# Altium PCB ADCS_PCB.PcbDoc (part 2 of 2)
Units mm, origin at the board's own origin, x right, y up, seen from the top; angles counter-clockwise.
Board outline 95.7 x 90 mm, 4 copper layers (Top Layer, Int1 (GND), Int2 (PWR), Bottom Layer), stack 1.57 mm thick; 108 components, 88 nets, 517 pads, 1075 vias.
Unrouted connection lines stored in the file: 4.
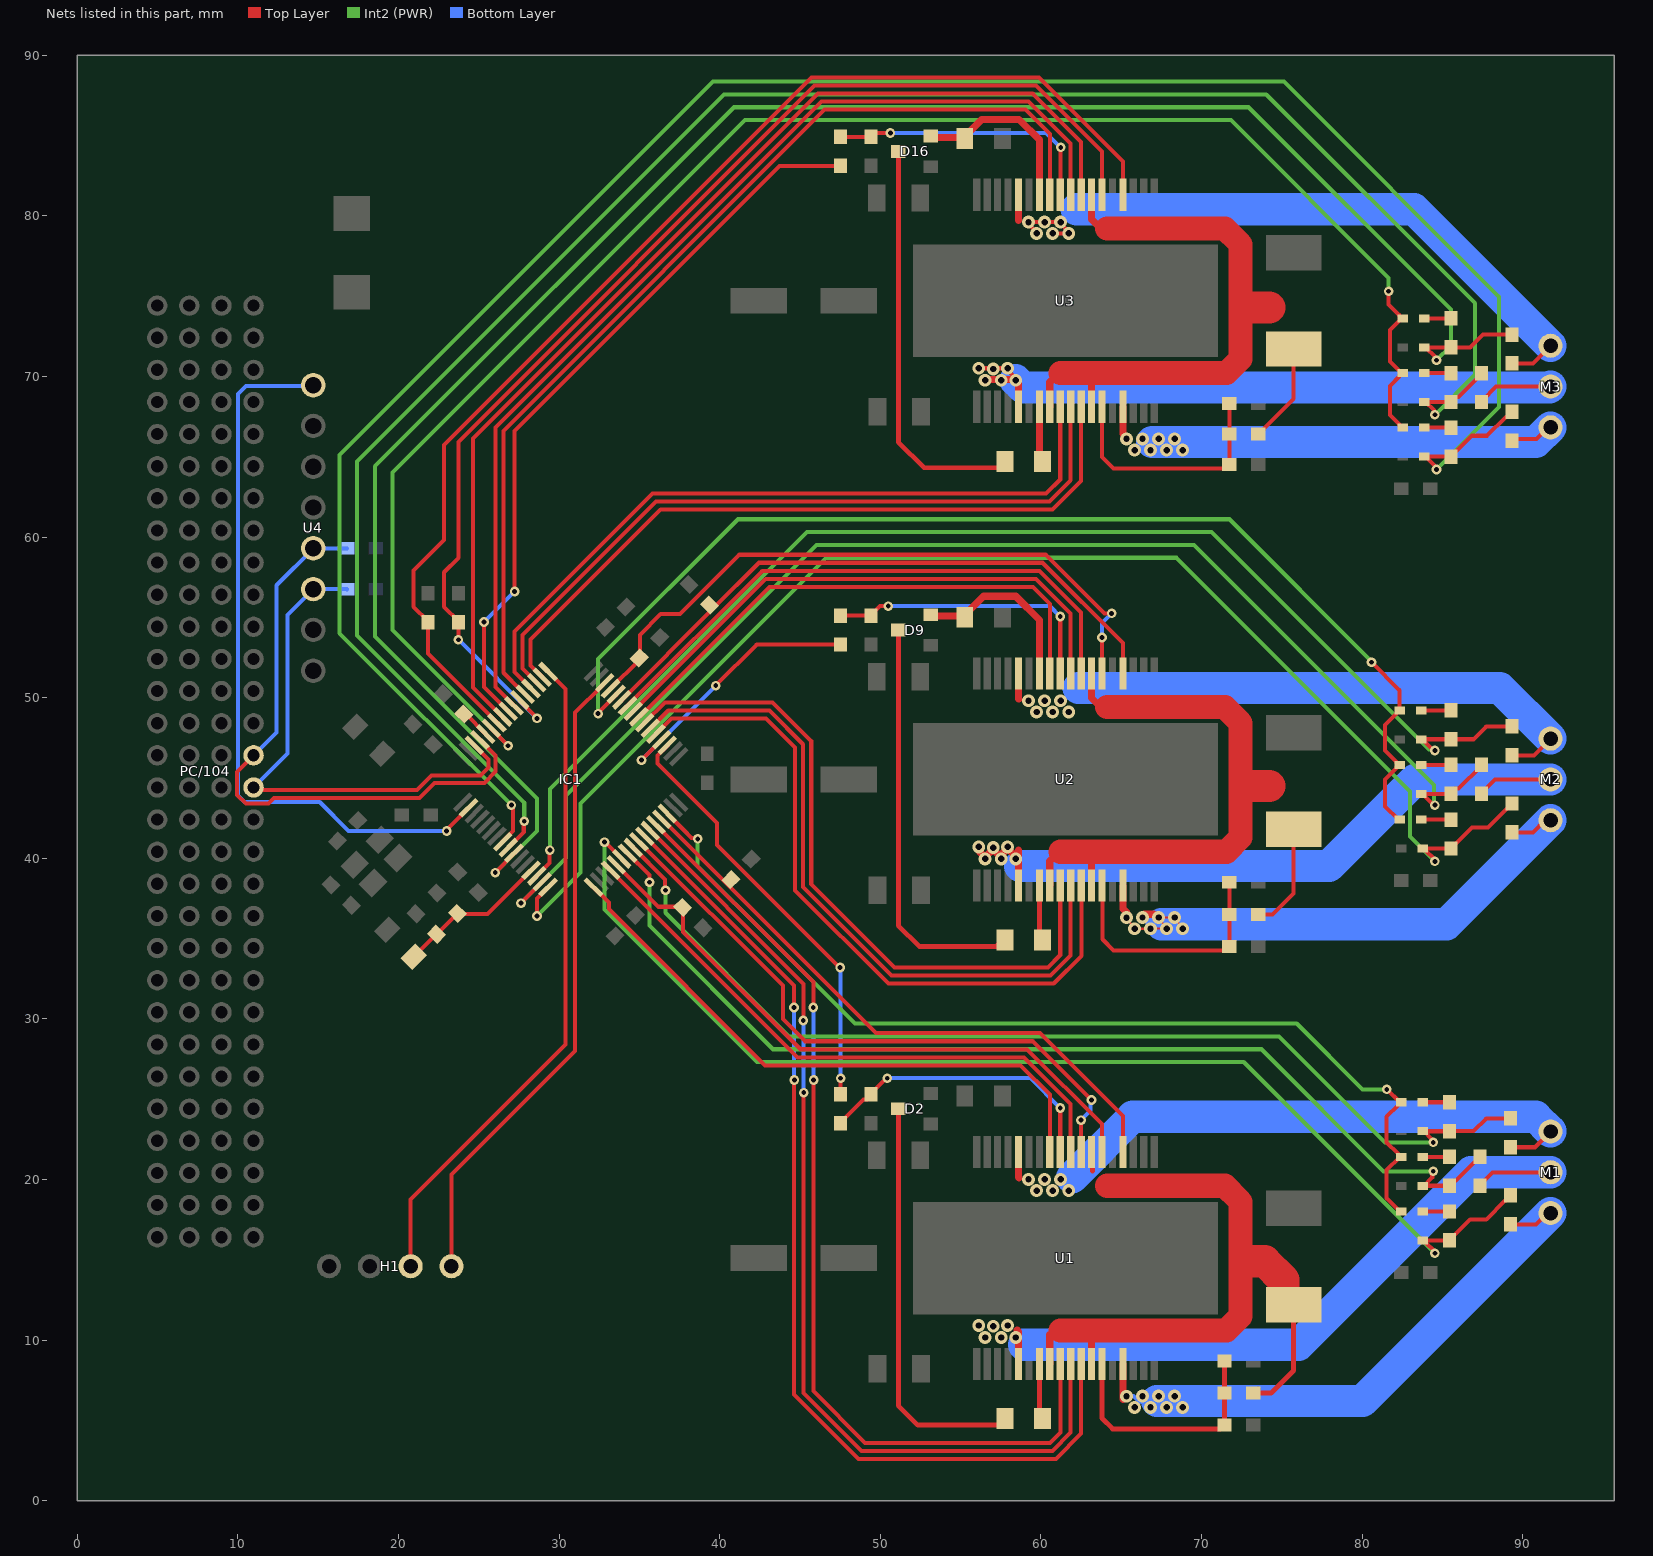
[diagram p4: the nets of this part, all layers, seen from the top]

## Via types
v1: diameter 0.7, hole 0.4, Top Layer to Bottom Layer, tented both sides, 411 vias
v2: diameter 0.6, hole 0.3, Top Layer to Bottom Layer, tented both sides, 320 vias
v3: diameter 0.8, hole 0.4, Top Layer to Bottom Layer, tented both sides, 253 vias
v4: diameter 0.6, hole 0.4, Top Layer to Bottom Layer, tented both sides, 74 vias
v5: diameter 1, hole 0.5, Top Layer to Bottom Layer, tented both sides, 16 vias
v6: diameter 1, hole 0.6, Top Layer to Bottom Layer, tented both sides, 1 vias

## Nets (pads, with @x,y where several pads share a name; then routed paths per layer and width w, separated by ;. In a path a pad name is that pad's centre, name@x,y a point inside that pad or via, vN(x,y) a via of type N, cw(c..) or ccw(c..) an arc to the next point about the centre after c; other vN are vias at no path point) (continued)
NetC16_1: C16.1 D2.3 | length 25.8
  Top Layer w0.3: D2.3@51.13,24.41 51.13,5.91 52.33,4.71 57.38,4.71 57.755,5.085 C16.1@57.755,5.11
NetC16_2: C16.2 U1.7 | length 3.6
  Top Layer w0.308: C16.2@59.905,4.91 U1.7@59.905,8.51
NetC17_1: C17.1 R2.1 U1.28 | length 18.4
  Top Layer w0.25: C17.1@49.43,25.31 49.43,25.36 50.38,26.31 v2(50.43,26.31)
  Top Layer w0.254: R2.1@47.53,23.51 47.53,23.56 48.957,24.987 49.207,24.987 C17.1@49.53,25.31 ; v2(61.2,24.45) 61.202,24.447 61.202,21.837 U1.28@61.205,21.835
  Bottom Layer w0.254: v2(50.43,26.31) 59.34,26.31 v2(61.2,24.45)
NetC18_1: C18.1 IC1.29 U1.22 | length 38.6
  Top Layer w0.25: IC1.29@36.387,42.435 36.422,42.435 36.916,41.941 40.439,38.419 40.989,37.869 49.747,29.11 59.94,29.11 65.105,23.945 U1.22@65.105,21.71
NetC19_1: C19.1 R3.1 R4.2 U1.13 | length 15.4
  Top Layer w0.3: U1.13@63.805,8.51 63.805,5.135 64.467,4.473 71.143,4.473 71.43,4.76 R4.2@71.43,6.71 R4.2@71.38,6.71 ; R4.2@71.43,6.71 R3.1@71.43,8.71
NetC20_1: C20.1 IC1.21 U1.24 | length 39.3
  Top Layer w0.25: 45.63,28.11 59.14,28.11 63.805,23.445 U1.24@63.805,21.885
  Top Layer w0.254: IC1.21@33.558,39.607 36.183,36.982 37.637,36.982 C20.1@37.666,36.953 ; C20.1@37.694,36.946 37.729,36.911 37.729,35.411 45.03,28.11 45.63,28.11
NetC25_2: C25.2 D9.2 U2.30 | length 11.4
  Top Layer w0.45: D9.2@53.13,55.16 53.205,55.085 55.18,55.085 C25.2@55.255,55.01 ; C25.2@55.262,55.003 55.262,55.142 56.43,56.31 58.43,56.31 59.905,54.835 U2.30@59.905,51.51
NetC26_1: C26.1 D9.3 | length 25.5
  Top Layer w0.3: D9.3@51.13,54.21 51.13,35.81 52.43,34.51 57.004,34.51 57.23,34.51 C26.1@57.53,34.81
NetC26_2: C26.2 U2.7 | length 3.1
  Top Layer w0.3: C26.2@59.83,35.21 59.905,35.285 U2.7@59.905,38.31
NetC27_1: C27.1 R12.1 U2.28 | length 17.8
  Top Layer w0.254: R12.1@47.53,55.11 C27.1@49.43,55.11 49.43,55.16 49.97,55.7 v2(50.5,55.7) ; v2(61.2,55.05) 61.202,55.047 61.202,51.512 U2.28@61.205,51.51
  Bottom Layer w0.254: v2(50.5,55.7) 60.55,55.7 v2(61.2,55.05)
NetC28_1: C28.1 IC1.43 U2.22 | length 38.7
  Top Layer w0.254: IC1.43@33.912,49.86 39.596,55.544 42.452,58.4 60.1,58.4 65.105,53.395 U2.22@65.105,51.51
NetC29_1: C29.1 R13.1 R14.2 U2.13 | length 15.5
  Top Layer w0.254: U2.13@63.83,38.21 63.83,34.96 64.53,34.26 71.48,34.26 C29.1@71.73,34.51 R14.2@71.73,36.51 R13.1@71.73,38.51
NetC30_1: C30.1 IC1.45 U2.24 | length 41
  Top Layer w0.254: IC1.45@33.205,50.567 34.994,52.355 C30.1@34.994,52.474 ; C30.1@35.029,52.474 35.029,53.909 36.33,55.21 37.53,55.21 41.22,58.9 60.3,58.9 63.947,55.253 64.397,55.253 v2(64.4,55.25) ; v2(63.8,53.75) 63.802,53.747 63.802,51.512 U2.24@63.805,51.51
  Bottom Layer w0.254: v2(63.8,53.75) 63.8,54.65 v2(64.4,55.25)
NetC35_2: C35.2 D16.2 U3.30 | length 11.2
  Top Layer w0.45: D16.2@53.13,84.96 53.205,84.885 55.205,84.885 55.23,84.91 56.32,86 58.64,86 59.905,84.735 U3.30@59.905,81.31
NetC36_1: C36.1 D16.3 | length 25.6
  Top Layer w0.3: D16.3@51.13,84.01 51.13,65.91 52.73,64.31 57.38,64.31 57.755,64.685 C36.1@57.755,64.71
NetC36_2: C36.2 U3.7 | length 3.4
  Top Layer w0.45: C36.2@59.905,64.71 U3.7@59.905,68.11
NetC37_1: C37.1 R22.1 U3.28 | length 17.1
  Top Layer w0.254: R22.1@47.53,84.91 C37.1@49.43,84.91 49.68,85.16 v2(50.63,85.16) ; U3.28@61.205,81.31 61.217,81.322 61.217,84.247 v2(61.23,84.26)
  Bottom Layer w0.254: v2(50.63,85.16) 60.33,85.16 v2(61.23,84.26)
NetC38_1: C38.1 IC1.58 U3.22 | length 75.9
  Top Layer w0.254: C38.1@21.83,54.41 21.83,52.749 IC1.58@26.134,48.446 ; C38.1@21.83,54.71 21.83,54.76 20.93,55.66 20.93,57.91 22.83,59.81 22.83,65.73 45.71,88.61 59.89,88.61 65.105,83.395 U3.22@65.105,81.31
NetC39_1: C39.1 R23.1 R24.2 U3.13 | length 15
  Top Layer w0.254: U3.13@63.805,67.885 63.805,64.985 64.53,64.26 71.48,64.26 C39.1@71.73,64.51 R24.2@71.73,66.41 R23.1@71.73,68.31
NetC40_1: C40.1 IC1.54 U3.24 | length 75.2
  Top Layer w0.254: v2(23.73,53.61) C40.1@23.73,54.71 23.73,54.76 22.83,55.66 22.83,57.81 23.73,58.71 23.73,65.93 45.91,88.11 59.69,88.11 63.805,83.995 U3.24@63.805,81.31 ; IC1.54@27.548,49.86 27.548,49.827 28.63,48.745 v2(28.63,48.71)
  Bottom Layer w0.254: v2(23.73,53.61) v2(28.63,48.71)
NetD3_1: D3.1 IC1.22 R6.1 R7.1 | length 74
  Top Layer w0.254: v2(32.83,41.01) 32.862,41.01 IC1.22@33.912,39.96 ; D3.1@83.78,16.21 D3.1@83.855,16.21 ; v2(84.53,15.41) 84.464,15.476 84.464,15.576 83.978,16.062 83.978,16.087 D3.1@83.855,16.21 ; R6.1@89.23,19.01 89.23,18.96 88.957,18.687 88.907,18.687 87.73,17.51 86.73,17.51 85.753,16.533 85.703,16.533 85.43,16.26 R7.1@85.43,16.21 83.978,16.21 D3.1@83.855,16.21
  Int2 (PWR) w0.254: v2(32.83,41.01) 32.83,36.81 42.33,27.31 72.63,27.31 v2(84.53,15.41)
NetD4_1: D4.1 R7.2 | length 1.7
  Top Layer w0.254: D4.1@83.78,18.01 R7.2@85.43,18.01
NetD4_2: D4.2 D6.2 D8.2 IC1.30 | length 62.4
  Top Layer w0.254: IC1.30@36.74,42.789 37.753,41.776 38.253,41.276 38.564,41.276 v2(38.63,41.21) ; v2(81.53,25.61) 81.555,25.61 D8.2@82.355,24.81 ; D4.2@82.43,18.01 82.355,18.01 81.53,18.835 81.53,20.585 D6.2@82.355,21.41 ; D6.2@82.43,21.41 D6.2@82.355,21.41 ; D8.2@82.43,24.81 D8.2@82.355,24.81 ; D6.2@82.355,21.41 82.232,21.533 82.232,21.608 81.53,22.31 81.53,23.91 82.232,24.612 82.232,24.687 D8.2@82.355,24.81
  Int2 (PWR) w0.254: v2(38.63,41.21) 38.63,39.51 48.43,29.71 75.93,29.71 80.03,25.61 v2(81.53,25.61)
NetD5_1: D5.1 IC1.23 R8.1 R9.1 | length 65.7
  Top Layer w0.254: IC1.23@34.266,40.314 35.622,38.957 35.622,38.518 v2(35.63,38.51) ; D5.1@83.78,19.61 D5.1@83.855,19.61 ; v2(84.43,20.51) 84.364,20.444 84.364,20.119 D5.1@83.855,19.61 ; R8.1@87.33,21.41 87.33,21.36 87.057,21.087 87.007,21.087 85.853,19.933 85.703,19.933 85.38,19.61 D5.1@83.855,19.61
  Int2 (PWR) w0.254: v2(35.63,38.51) 35.63,35.81 43.33,28.11 73.73,28.11 81.33,20.51 v2(84.43,20.51)
NetD6_1: D6.1 R9.2 | length 1.7
  Top Layer w0.254: D6.1@83.78,21.41 R9.2@85.43,21.41
NetD7_1: D7.1 IC1.24 R10.1 R11.1 | length 65.3
  Top Layer w0.254: IC1.24@34.619,40.667 36.596,38.691 36.596,38.044 v2(36.63,38.01) ; D7.1@83.78,23.01 83.855,23.01 84.364,22.501 84.364,22.376 v2(84.43,22.31) ; R11.1@85.43,23.01 86.93,23.01 87.73,23.81 R10.1@89.23,23.81
  Top Layer w0.3: D7.1@83.855,23.01 R11.1@85.43,23.01
  Int2 (PWR) w0.254: v2(36.63,38.01) 36.63,36.61 44.33,28.91 74.83,28.91 81.43,22.31 v2(84.43,22.31)
NetD8_1: D8.1 R11.2 | length 1.6
  Top Layer w0.3: D8.1@83.78,24.81 R11.2@85.43,24.81
NetD10_1: D10.1 IC1.16 R16.1 R17.1 | length 87
  Top Layer w0.254: v2(28.63,36.41) 28.63,37.507 IC1.16@29.316,38.192 ; D10.1@83.78,40.61 D10.1@83.855,40.61 ; v2(84.53,39.81) 84.464,39.876 84.464,39.976 83.978,40.462 83.978,40.487 D10.1@83.855,40.61 ; R16.1@89.33,43.41 89.33,43.36 89.057,43.087 89.007,43.087 87.83,41.91 86.83,41.91 85.853,40.933 85.803,40.933 85.53,40.66 R17.1@85.53,40.61 83.978,40.61 D10.1@83.855,40.61
  Int2 (PWR) w0.254: v2(28.63,36.41) 31.33,39.11 31.33,43.41 46.63,58.71 68.43,58.71 82.98,44.16 82.98,41.36 v2(84.53,39.81)
NetD11_1: D11.1 R17.2 | length 1.8
  Top Layer w0.254: D11.1@83.68,42.41 R17.2@85.53,42.41
NetD11_2: D11.2 D13.2 D15.2 IC1.44 | length 72.7
  Top Layer w0.254: v2(32.43,49.01) 32.43,49.052 33.558,50.181 IC1.44@33.558,50.213 ; v2(80.58,52.21) 82.33,50.46 82.33,49.285 D15.2@82.255,49.21 ; D11.2@82.33,42.41 82.255,42.41 81.43,43.235 81.43,44.91 82.132,45.612 82.132,45.687 D13.2@82.255,45.81 ; D13.2@82.33,45.81 D13.2@82.255,45.81 ; D15.2@82.33,49.21 D15.2@82.255,49.21 ; D13.2@82.255,45.81 82.132,45.933 82.132,46.008 81.43,46.71 81.43,48.31 82.132,49.012 82.132,49.087 D15.2@82.255,49.21
  Int2 (PWR) w0.254: v2(32.43,49.01) 32.43,52.41 41.13,61.11 71.73,61.11 80.58,52.26 v2(80.58,52.21)
NetD12_1: D12.1 IC1.15 R18.1 R19.1 | length 83.3
  Top Layer w0.254: v2(27.63,37.21) 27.63,37.212 28.962,38.544 IC1.15@28.962,38.546 ; D12.1@83.68,44.01 D12.1@83.755,44.01 ; v2(84.53,43.31) 84.455,43.31 D12.1@83.755,44.01 ; R18.1@87.43,45.81 87.43,45.76 86.003,44.333 85.803,44.333 85.53,44.06 R19.1@85.53,44.01 D12.1@83.755,44.01
  Int2 (PWR) w0.254: v2(27.63,37.21) 30.43,40.01 30.43,43.91 46.03,59.51 69.53,59.51 84.464,44.576 84.464,43.376 v2(84.53,43.31)
NetD13_1: D13.1 R19.2 | length 1.8
  Top Layer w0.254: D13.1@83.68,45.81 R19.2@85.53,45.81
NetD14_1: D14.1 IC1.14 R20.1 R21.1 | length 80.1
  Top Layer w0.254: IC1.14@28.609,38.9 29.411,39.702 29.411,40.491 v2(29.43,40.51) ; D14.1@83.68,47.41 83.755,47.41 84.455,46.71 v2(84.53,46.71) ; D14.1@83.803,47.41 R21.1@85.53,47.41 86.93,47.41 87.73,48.21 R20.1@89.33,48.21
  Int2 (PWR) w0.254: v2(29.43,40.51) 29.43,44.31 45.43,60.31 70.63,60.31 84.164,46.776 84.464,46.776 v2(84.53,46.71)
NetD15_1: D15.1 R21.2 | length 1.8
  Top Layer w0.254: D15.1@83.68,49.21 R21.2@85.53,49.21
NetD17_1: D17.1 IC1.8 R26.1 R27.1 | length 136.3
  Top Layer w0.254: IC1.8@26.487,41.021 26.487,41.053 27.13,41.696 27.13,43.116 27.03,43.216 v2(27.03,43.31) ; D17.1@83.88,65.01 D17.1@83.955,65.01 ; v2(84.63,64.21) 84.564,64.276 84.564,64.401 D17.1@83.955,65.01 ; R26.1@89.33,67.86 89.33,67.76 89.057,67.487 88.957,67.487 87.78,66.31 86.83,66.31 R27.1@85.53,65.01 D17.1@83.955,65.01
  Int2 (PWR) w0.254: v2(27.03,43.31) 16.33,54.01 16.33,65.11 39.58,88.36 75.13,88.36 88.53,74.96 88.53,68.11 v2(84.63,64.21)
NetD18_1: D18.1 R27.2 | length 1.7
  Top Layer w0.254: D18.1@83.83,66.81 D18.1@83.88,66.81 R27.2@85.53,66.81
NetD18_2: D18.2 D20.2 D22.2 IC1.59 | length 107.7
  Top Layer w0.254: IC1.59@25.78,48.092 25.78,48.076 26.83,47.026 v2(26.83,47.01) ; v2(81.65,75.3) 81.65,74.49 82.332,73.808 82.332,73.733 82.455,73.61 D22.2@82.53,73.61 ; D22.2@82.43,73.585 81.73,72.885 81.73,70.935 82.455,70.21 82.332,70.087 82.332,70.012 81.73,69.41 81.73,67.61 82.332,67.008 82.332,66.933 82.455,66.81 D18.2@82.53,66.81
  Int2 (PWR) w0.254: v2(26.83,47.01) 19.63,54.21 19.63,64.01 41.58,85.96 71.83,85.96 81.65,76.14 v2(81.65,75.3)
NetD19_1: D19.1 IC1.9 R28.1 R29.1 | length 126.6
  Top Layer w0.254: IC1.9@26.841,40.667 27.802,41.629 27.802,42.282 v2(27.83,42.31) ; D19.1@83.88,68.41 D19.1@83.955,68.41 ; v2(84.53,67.61) 84.464,67.676 84.464,67.901 D19.1@83.955,68.41 ; R28.1@87.43,70.21 87.43,70.16 86.003,68.733 85.803,68.733 85.53,68.46 R29.1@85.53,68.41 D19.1@83.955,68.41
  Int2 (PWR) w0.254: v2(27.83,42.31) 27.83,43.46 17.43,53.86 17.43,64.71 40.28,87.56 74.03,87.56 87.03,74.56 87.03,70.11 v2(84.53,67.61)
NetD20_1: D20.1 R29.2 | length 1.7
  Top Layer w0.254: D20.1@83.83,70.31 83.93,70.21 R29.2@85.53,70.21
NetD21_1: D21.1 IC1.10 R30.1 R31.1 | length 124.1
  Top Layer w0.254: v2(26.03,39.11) 26.03,39.13 27.194,40.294 IC1.10@27.194,40.314 ; D21.1@83.88,71.81 D21.1@83.955,71.81 ; v2(84.63,71.01) 84.564,71.076 84.564,71.201 D21.1@83.955,71.81 ; R30.1@89.33,72.61 87.53,72.61 86.73,71.81 D21.1@83.955,71.81
  Int2 (PWR) w0.254: v2@26.13,39.11 26.13,39.21 28.63,41.71 28.63,43.71 18.53,53.81 18.53,64.41 40.88,86.76 72.93,86.76 85.53,74.16 85.53,71.91 v2(84.63,71.01)
NetD22_1: D22.1 R31.2 | length 1.7
  Top Layer w0.254: D22.1@83.88,73.61 R31.2@85.53,73.61
NetH1_3: H1.3 IC1.49 | length 41.4
  Top Layer w0.254: H1.3@20.7,14.7 20.76,14.76 20.76,18.76 30.4,28.4 30.4,50.543 IC1.49@29.316,51.628
NetH1_4: H1.4 IC1.46 | length 40
  Top Layer w0.254: H1.4@23.3,14.7 23.3,20.3 31,28 31,49.069 IC1.46@32.7,50.769
NetIC1_2: IC1.2 U4.8 | length 45.8
  Top Layer w0.254: v2@22.962,41.738 IC1.2@24.366,43.142
  Bottom Layer w0.254: U4.8@14.7,69.46 14.64,69.4 10.5,69.4 10,68.9 10,43.9 10.402,43.498 12.294,43.498 12.296,43.5 15.1,43.5 16.9,41.7 v2(23,41.7)
NetIC1_17: IC1.17 U1.29 | length 37.6
  Top Layer w0.25: IC1.17@32.144,38.192 33.1,37.237 33.1,36.84 42.83,27.11 58.73,27.11 60.555,25.285 U1.29@60.555,21.71
NetIC1_20: IC1.20 U1.27 | length 37.7
  Top Layer w0.25: IC1.20@33.205,39.253 44.848,27.61 58.94,27.61 61.855,24.695 U1.27@61.855,21.71
NetIC1_25: IC1.25 U1.26 | length 39.6
  Top Layer w0.25: IC1.25@34.973,41.021 34.979,41.021 43.93,32.069 ; v2(62.5,23.7) 62.502,23.698 62.502,21.712 U1.26@62.505,21.71
  Top Layer w0.254: 43.93,32.069 43.93,29.994 45.314,28.61 59.49,28.61 v2(63.15,24.95)
  Bottom Layer w0.254: v2(62.5,23.7) 63.084,24.284 63.084,24.884 v2(63.15,24.95)
NetIC1_26: IC1.26 U1.11 | length 63.1
  Top Layer w0.25: v2(44.65,26.2) 44.63,26.18 44.63,6.62 48.64,2.61 60.93,2.61 62.505,4.185 U1.11@62.505,8.51
  Top Layer w0.254: IC1.26@35.326,41.374 44.63,32.071 v2(44.63,30.71)
  Bottom Layer w0.254: v2(44.63,30.71) 44.64,30.7 44.64,26.21 v2(44.65,26.2)
NetIC1_27: IC1.27 U1.10 | length 61.9
  Top Layer w0.25: v2(45.23,25.41) 45.23,6.71 48.83,3.11 60.73,3.11 61.855,4.235 U1.10@61.855,8.51
  Top Layer w0.254: IC1.27@35.68,41.728 45.23,32.178 45.23,29.93 v2(45.2,29.9)
  Bottom Layer w0.254: v2(45.2,29.9) 45.215,29.885 45.215,25.425 v2(45.23,25.41)
NetIC1_28: IC1.28 U1.9 | length 60.6
  Top Layer w0.25: v2(45.85,26.2) 45.83,26.18 45.83,6.82 49.04,3.61 60.56,3.61 61.205,4.255 U1.9@61.205,8.51
  Top Layer w0.254: IC1.28@36.033,42.082 45.83,32.285 v2(45.83,30.71)
  Bottom Layer w0.254: v2(45.83,30.71) 45.84,30.7 45.84,26.21 v2(45.85,26.2)
NetIC1_35: IC1.35 R2.2 | length 26.7
  Top Layer w0.254: IC1.35@36.74,47.031 36.74,47.001 36.13,46.391 36.13,45.91 39.83,42.21 39.83,40.82 43.682,36.968 47.45,33.2 v2(47.5,33.2) ; R2.2@47.53,25.31 v2(47.53,26.31)
  Bottom Layer w0.254: v2(47.5,33.2) 47.515,33.185 47.515,26.325 v2(47.53,26.31)
NetIC1_36: IC1.36 R12.2 | length 17.2
  Top Layer w0.254: v2(35.13,46.11) 35.13,46.119 36.387,47.376 IC1.36@36.387,47.385 ; v2(39.75,50.75) 42.31,53.31 R12.2@47.53,53.31
  Bottom Layer w0.254: v2(35.13,46.11) 35.13,46.12 39.75,50.74 v2(39.75,50.75)
NetIC1_37: IC1.37 U2.11 | length 44.1
  Top Layer w0.254: IC1.37@36.033,47.738 37.005,48.71 42.89,48.71 44.7,46.9 44.7,38 50.5,32.2 60.8,32.2 62.53,33.93 62.53,38.285 U2.11@62.505,38.31
NetIC1_38: IC1.38 U2.10 | length 43.3
  Top Layer w0.254: IC1.38@35.68,48.092 36.798,49.21 43.09,49.21 45.2,47.1 45.2,38.2 50.7,32.7 60.6,32.7 61.855,33.955 U2.10@61.855,38.085
NetIC1_39: IC1.39 U2.9 | length 43.1
  Top Layer w0.254: IC1.39@35.326,48.446 IC1.39@35.326,48.446 36.589,49.71 43.29,49.71 45.7,47.3 45.7,38.4 50.89,33.21 60.43,33.21 61.205,33.985 U2.9@61.205,38.31
NetIC1_40: IC1.40 U2.29 | length 33.6
  Top Layer w0.254: IC1.40@35.073,48.867 43.106,56.9 59.5,56.9 60.555,55.845 U2.29@60.555,51.51
NetIC1_41: IC1.41 U2.27 | length 35.1
  Top Layer w0.254: IC1.41@34.769,49.303 42.867,57.4 59.7,57.4 61.855,55.245 U2.27@61.855,51.51
NetIC1_42: IC1.42 U2.26 | length 36.6
  Top Layer w0.254: IC1.42@34.266,49.506 34.266,49.513 42.652,57.9 59.9,57.9 62.505,55.295 U2.26@62.505,51.51
NetIC1_50: IC1.50 U3.11 | length 45.1
  Top Layer w0.254: IC1.50@28.962,51.274 28.23,52.006 28.23,53.61 36.33,61.71 60.73,61.71 62.505,63.485 U3.11@62.505,67.535
NetIC1_51: IC1.51 U3.10 | length 46
  Top Layer w0.254: IC1.51@28.609,50.92 28.609,50.931 27.73,51.81 27.73,53.91 36.03,62.21 60.53,62.21 61.855,63.535 U3.10@61.855,68.11
NetIC1_52: IC1.52 U3.9 | length 46.4
  Top Layer w0.254: IC1.52@28.255,50.567 27.23,51.592 27.23,54.11 35.83,62.71 60.33,62.71 61.205,63.585 U3.9@61.205,68.11
NetIC1_53: IC1.53 U3.29 | length 63.3
  Top Layer w0.254: IC1.53@27.601,50.481 26.53,51.552 26.53,66.61 46.53,86.61 59.03,86.61 60.555,85.085 U3.29@60.555,81.31
NetIC1_55: IC1.55 U3.27 | length 66.3
  Top Layer w0.254: IC1.55@27.194,49.506 26.03,50.671 26.03,66.81 46.33,87.11 59.24,87.11 61.855,84.495 U3.27@61.855,81.31
NetIC1_56: IC1.56 R22.2 | length 46
  Top Layer w0.254: v2(25.33,54.71) 25.33,50.663 IC1.56@26.841,49.153 ; v2(27.23,56.61) 27.23,66.61 43.73,83.11 R22.2@47.53,83.11
  Bottom Layer w0.254: v2(25.33,54.71) v2(27.23,56.61)
NetIC1_57: IC1.57 U3.26 | length 69.4
  Top Layer w0.254: IC1.57@26.487,48.799 24.649,50.638 24.649,66.129 46.13,87.61 59.49,87.61 62.505,84.595 U3.26@62.505,81.31
NetIC1_60: IC1.60 R1.1 | length 1.9
  Top Layer w0.254: R1.1@24.066,48.974 24.191,48.974 IC1.60@25.427,47.738
NetIC1_61: IC1.61 PC/104.16 R32.1 U4.4 | length 38.9
  Top Layer w0.254: PC/104.16@10.95,46.38 9.95,45.38 9.95,43.95 10.5,43.4 11.9,43.4 12.25,43.75 21.3,43.75 22.25,44.7 25.35,44.7 26.05,45.4 26.05,46.408 IC1.61@25.073,47.385
  Bottom Layer w0.254: PC/104.16@10.98,46.41 12.4,47.83 12.4,57 U4.4@14.7,59.3 R32.1@16.8,59.3
NetIC1_62: IC1.62 PC/104.15 R33.1 U4.3 | length 33
  Top Layer w0.254: PC/104.15@10.98,44.41 11.14,44.25 21.15,44.25 22.05,45.15 25.1,45.15 25.6,45.65 25.6,46.15 IC1.62@24.7,47.05
  Bottom Layer w0.254: PC/104.15@10.98,44.41 13.1,46.53 13.1,55.16 U4.3@14.7,56.76 16.79,56.76 R33.1@16.8,56.75
NetM1_1: M1.1 R6.2 U1.15 | length 35
  Top Layer w0.254: R6.2@89.23,17.21 90.831,17.21 91.531,17.91 M1.1@91.73,17.91
  Top Layer w0.45: v3@65.105,6.31 U1.15@65.105,8.51
  Bottom Layer w0.254: v3@65.63,6.51 65.778,6.51 66.125,6.162 66.13,6.162
  Bottom Layer w2: v3@67.22,6.21 80.03,6.21 M1.1@91.73,17.91
  other v3: 65.83,5.81 66.825,5.815 67.825,5.815 68.825,5.815 65.33,6.51 66.325,6.515 67.325,6.515 68.325,6.515
NetM1_2: M1.2 R8.2 U1.5 | length 44.1
  Top Layer w0.254: R8.2@87.33,19.61 87.33,19.66 88.12,20.45 M1.2@91.73,20.45
  Top Layer w0.45: 58.53,10.61 58.605,10.535 U1.5@58.605,8.51
  Bottom Layer w2: 58.952,9.71 76.03,9.71 86.77,20.45 M1.2@91.73,20.45
  other v3: 56.53,10.164 57.53,10.164 58.43,10.164 57.03,10.864 56.13,10.91 57.93,10.91
NetM1_3: M1.3 R10.2 U1.32 | length 36.3
  Top Layer w0.254: R10.2@89.23,22.01 90.75,22.01 M1.3@91.73,22.99
  Top Layer w0.45: U1.32@58.605,21.71 58.605,20.135 58.63,20.11
  Bottom Layer w2: 61.931,20.12 65.722,23.91 90.81,23.91 M1.3@91.73,22.99
  other v3: 59.73,19.31 60.73,19.31 61.73,19.31 59.23,20.01 60.23,20.01 61.23,20.01
NetM2_1: M2.1 R16.2 U2.15 | length 38.5
  Top Layer w0.127: v3(65.33,36.31) 65.33,36.21 65.83,35.71 v3(65.83,35.61) 65.833,35.613 66.823,35.613 v3(66.825,35.615) v3(67.825,35.615) 67.825,35.715 67.325,36.215 v3(67.325,36.315) 68.125,36.315 v3@68.3,36.14 ; v3(68.325,36.315) 68.325,36.165 68.375,36.165 68.825,35.715 v3(68.825,35.615)
  Top Layer w0.254: R16.2@89.33,41.61 90.633,41.61 91.393,42.37 M2.1@91.73,42.37
  Top Layer w0.45: U2.15@65.105,38.31 65.105,36.851 v3@65.369,36.588 ; v3(66.325,36.315) 66.325,36.415 66.425,36.515 67.031,36.515 67.231,36.315 v3(67.325,36.315)
  Bottom Layer w2: 67.5,35.891 85.251,35.891 M2.1@91.73,42.37
NetM2_2: M2.2 R18.2 U2.5 | length 46.7
  Top Layer w0.254: R18.2@87.43,44.01 87.43,44.06 88.28,44.91 M2.2@91.73,44.91
  Top Layer w0.45: v3(56.13,40.71) 56.197,40.643 56.197,40.392 56.53,40.059 v3(56.53,39.964) 56.597,40.031 56.597,40.136 57.03,40.569 v3(57.03,40.664) 57.097,40.597 57.097,40.492 57.53,40.059 v3(57.53,39.964) 57.597,40.031 57.597,40.282 57.93,40.615 v3(57.93,40.71) 57.997,40.643 57.997,40.548 58.363,40.182 58.363,40.031 v3(58.43,39.964) ; U2.5@58.605,38.31 58.605,39.865 58.607,39.867 58.607,40.5
  Bottom Layer w2: 58.714,39.51 77.93,39.51 83.33,44.91 M2.2@91.73,44.91
NetM2_3: M2.3 R20.2 U2.32 | length 35.1
  Top Layer w0.254: R20.2@89.33,46.41 90.69,46.41 M2.3@91.73,47.45
  Top Layer w0.45: U2.32@58.605,51.51 58.605,49.935 58.63,49.91
  Bottom Layer w2: 62.331,50.61 88.57,50.61 M2.3@91.73,47.45
  other v3: 59.73,49.11 60.73,49.11 61.73,49.11 59.23,49.81 60.23,49.81 61.23,49.81
NetM3_1: M3.1 R26.2 U3.15 | length 29.7
  Top Layer w0.254: R26.2@89.23,66.11 90.851,66.11 91.571,66.83 M3.1@91.73,66.83
  Top Layer w0.45: v3@65.105,66.41 U3.15@65.105,68.11
  Bottom Layer w2: 66.93,65.91 67.825,65.91 90.81,65.91 M3.1@91.73,66.83
  other v3: 65.83,65.41 66.825,65.415 67.825,65.415 68.825,65.415 65.33,66.11 66.325,66.115 67.325,66.115 68.325,66.115
NetM3_2: M3.2 R28.2 U3.5 | length 44.8
  Top Layer w0.254: v3@55.93,70.51 v3(57.93,70.51) 57.93,70.41 58.43,69.91 v3@58.43,69.81 ; R28.2@87.43,68.51 87.48,68.51 88.34,69.37 M3.2@91.73,69.37
  Top Layer w0.45: v3@56.43,69.81 58.43,69.81 v3(58.43,69.764) 58.43,69.715 58.605,69.54 U3.5@58.605,68.11
  Bottom Layer w2: v3(58.43,69.764) 58.884,69.31 91.67,69.31 M3.2@91.73,69.37
  other v3: 56.53,69.764 57.53,69.764 57.03,70.464 56.13,70.51
NetM3_3: M3.3 R30.2 U3.32 | length 42.3
  Top Layer w0.254: v3(59.73,78.91) 59.73,79.005 59.23,79.505 v3(59.23,79.61) v3(60.23,79.61) v3(61.23,79.61) 61.23,79.51 61.73,79.01 v3(61.73,78.91) v3(60.73,78.91) ; R30.2@89.33,70.81 90.63,70.81 M3.3@91.73,71.91
  Top Layer w0.45: 58.605,79.71 U3.32@58.605,81.31
  Bottom Layer w2: 62.23,80.41 83.23,80.41 M3.3@91.73,71.91
NetR4_1: R4.1 R5.2 U1.8 U1.12 U1.25 | length 45.3
  Top Layer w0.3: R4.1@73.23,6.71 73.28,6.71 R4.1@73.53,6.96 ; R4.1@73.33,6.71 74.33,6.71 75.73,8.11 R5.2@75.73,12.21
  Top Layer w0.308: 60.555,10.335 60.93,10.71 ; 63.03,10.51 63.155,10.385 ; U1.25@63.155,21.71 63.226,21.639 63.226,20.514
  Top Layer w0.45: U1.8@60.555,8.51 60.555,10.335 ; U1.12@63.155,8.51 63.155,10.385
  Top Layer w1.5: 61.23,10.61 71.551,10.61 72.43,11.489 72.43,18.61 ; 64.133,19.61 71.451,19.61 72.33,18.731
  Top Layer w2: 72.73,14.91 73.933,14.91 75.105,13.738 75.105,12.31 75.205,12.21 R5.2@75.73,12.21
NetR14_1: R14.1 R15.2 U2.8 U2.12 U2.25 | length 42.6
  Top Layer w0.254: R14.1@73.53,36.51 74.43,36.51 75.73,37.81 R15.2@75.73,41.81
  Top Layer w0.45: U2.8@60.555,38.31 60.555,39.835 61.23,40.51 ; 63.13,40.31 63.155,40.285 U2.12@63.155,38.31 ; U2.25@63.155,51.51 63.155,49.985 63.83,49.31
  Top Layer w1.5: 61.23,40.41 71.551,40.41 72.43,41.289 72.43,44.31 ; 64.133,49.41 71.451,49.41 72.33,48.531 ; 72.43,44.493 72.43,48.41
  Top Layer w2: 73.012,44.49 74.215,44.49 ; R15.2@75.105,41.81 R15.2@75.73,41.81
NetR24_1: R24.1 R25.2 U3.8 U3.12 U3.25 | length 41.4
  Top Layer w0.254: R24.1@73.53,66.41 73.58,66.41 73.853,66.683 73.853,66.733 75.73,68.61 R25.2@75.73,71.61
  Top Layer w0.45: U3.8@60.555,68.11 60.555,69.635 61.23,70.31 ; 63.13,70.11 63.155,70.085 U3.12@63.155,68.11 ; U3.25@63.155,81.31 63.155,79.785 63.83,79.11
  Top Layer w1.5: 61.23,70.21 71.551,70.21 72.43,71.089 72.43,74.11 ; 64.133,79.21 71.451,79.21 72.33,78.331 ; 72.43,74.293 72.43,78.21
  Top Layer w2: 73.012,74.29 74.215,74.29
VDDA: BEAD1.1 C4.1 C5.1 IC1.13 | length 9.5
  Top Layer w0.254: C4.1@20.961,33.879 20.972,33.879 C5.1@23.666,36.574 23.702,36.538 25.54,36.538 IC1.13@28.255,39.253
pads on no net: IC1.3 IC1.4 IC1.11 IC1.33 IC1.34 PC/104.2 PC/104.3 PC/104.4 PC/104.6 PC/104.7 PC/104.9 PC/104.11 PC/104.13 PC/104.18 PC/104.19 PC/104.21 PC/104.22 PC/104.23 PC/104.25 PC/104.26 PC/104.27 PC/104.31 PC/104.32 PC/104.34 PC/104.35 PC/104.36 PC/104.37 PC/104.38 PC/104.40 PC/104.42 PC/104.44 PC/104.46 PC/104.47 PC/104.49 PC/104.50 PC/104.51 PC/104.52 PC/104.54 PC/104.55 PC/104.56 PC/104.57 PC/104.58 PC/104.59 PC/104.60 PC/104.61 PC/104.62 PC/104.63 PC/104.65 PC/104.66 PC/104.68 PC/104.69 PC/104.71 PC/104.73 PC/104.75 PC/104.77 PC/104.78 PC/104.79 PC/104.80 PC/104.81 PC/104.83 PC/104.84 PC/104.85 PC/104.87 PC/104.88 PC/104.89 PC/104.90 PC/104.91 PC/104.92 PC/104.93 PC/104.94 PC/104.96 PC/104.97 PC/104.99 PC/104.100 PC/104.102 PC/104.104 PC/104.106 PC/104.108 PC/104.109 PC/104.111 PC/104.112 PC/104.113 PC/104.114 PC/104.116 PC/104.118 PC/104.119 PC/104.120 U4.6 U4.7
copper on no net: | length 105.6
  Top Layer w1: 7.08,8.79 ccw(c4.98,8.79) 7.08,8.79 ; 7.08,82.45 ccw(c4.98,82.45) 7.08,82.45 ; 92.81,4.98 ccw(c90.71,4.98) 92.81,4.98 ; 92.81,84.99 ccw(c90.71,84.99) 92.81,84.99
  Bottom Layer w1: 7.08,8.79 ccw(c4.98,8.79) 7.08,8.79 ; 7.08,82.45 ccw(c4.98,82.45) 7.08,82.45 ; 92.81,4.98 ccw(c90.71,4.98) 92.81,4.98 ; 92.81,84.99 ccw(c90.71,84.99) 92.81,84.99

## Polygon pours and split planes (outlines as drawn)
GND on Top Layer "NONET_L-01_P-001" (solid, pour order 151): 15.35,79.1 14.4,80.05 14.4,82.8 14.7,83.1 19.5,83.1 19.8,82.8 19.8,80.05 18.85,79.1
12V on Top Layer "NONET_L-01_P-001" (solid, pour order 149): 10,74.8 10.8,75.6 18.5,75.6 18.9,75.2 18.9,71.8 18.5,71.4 11.4,71.4 10.6,71.4 10,72
12V on Top Layer "NONET_L-01_P-001" (solid, pour order 148): 15.9,75.8 15.9,75.3 15.3,74.7 15.3,73 15.7,72.6 18.4,72.6 18.8,73 18.8,74.7 18.2,75.3 18.2,75.8
GND on Top Layer "NONET_L-01_P-001" (solid, pour order 146): 65.53,20.71 72.23,20.71 73.03,21.51 73.03,24.41 71.63,25.81 66.23,25.81 65.53,25.11
GND on Top Layer "NONET_L-01_P-001" (solid, pour order 145): 65.53,50.51 72.03,50.51 73.03,51.51 73.03,54.21 71.63,55.61 66.23,55.61 65.53,54.91
GND on Top Layer "NONET_L-01_P-001" (solid, pour order 97): 65.53,80.31 72.03,80.31 73.03,81.31 73.03,84.01 71.63,85.41 66.23,85.41 65.53,84.71
GND on Top Layer "NONET_L-01_P-001" (solid, pour order 105): 44.03,13.41 44.23,13.61 44.23,16.61 43.93,16.91 40.73,16.91 40.43,16.61 40.43,13.71 40.73,13.41
GND on Top Layer "NONET_L-01_P-001" (solid, pour order 104): 44.03,43.21 44.23,43.41 44.23,46.41 43.93,46.71 40.73,46.71 40.43,46.41 40.43,43.51 40.73,43.21
GND on Top Layer "NONET_L-01_P-001" (solid, pour order 103): 44.03,73.01 44.23,73.21 44.23,76.21 43.93,76.51 40.73,76.51 40.43,76.21 40.43,73.31 40.73,73.01
GND on Top Layer "NONET_L-01_P-001" (solid, pour order 99): 57.53,82.31 57.53,80.01 59.23,78.31 59.23,77.81 52.03,77.81 52.03,79.71 52.33,80.01 54.13,80.01 54.53,80.41 54.53,81.81 55.03,82.31
GND on Top Layer "NONET_L-01_P-001" (solid, pour order 98): 57.53,67.11 57.43,67.01 53.73,67.01 53.33,67.41 53.33,68.96 52.03,70.26 52.03,71.81 54.93,71.81 55.48,71.26 55.48,69.61 56.03,69.06 57.53,69.06
GND on Top Layer "NONET_L-01_P-001" (solid, pour order 96): 70.33,66.86 70.53,67.06 70.53,68.31 69.53,69.31 65.63,69.31 65.43,69.11 65.43,67.06 65.63,66.86
GND on Top Layer "NONET_L-01_P-001" (solid, pour order 94): 70.33,37.06 70.53,37.26 70.53,38.51 69.53,39.51 65.63,39.51 65.43,39.31 65.43,37.26 65.63,37.06
GND on Top Layer "NONET_L-01_P-001" (solid, pour order 93): 57.53,52.51 57.53,50.21 59.23,48.51 59.23,48.01 52.03,48.01 52.03,49.91 52.33,50.21 54.13,50.21 54.53,50.61 54.53,52.01 55.03,52.51
GND on Top Layer "NONET_L-01_P-001" (solid, pour order 91): 57.53,37.31 57.43,37.21 53.73,37.21 53.33,37.61 53.33,39.16 52.03,40.46 52.03,42.01 54.93,42.01 55.48,41.46 55.48,39.81 56.03,39.26 57.53,39.26
GND on Top Layer "NONET_L-01_P-001" (solid, pour order 90): 57.53,22.71 57.53,20.41 59.23,18.71 59.23,18.21 52.03,18.21 52.03,20.11 52.33,20.41 54.13,20.41 54.53,20.81 54.53,22.21 55.03,22.71
GND on Top Layer "NONET_L-01_P-001" (solid, pour order 87): 70.33,7.26 70.53,7.46 70.53,8.71 69.53,9.71 65.63,9.71 65.43,9.51 65.43,7.46 65.63,7.26
GND on Top Layer "NONET_L-01_P-001" (solid, pour order 86): 57.53,7.51 57.43,7.41 53.73,7.41 53.33,7.81 53.33,9.36 52.03,10.66 52.03,12.21 54.93,12.21 55.48,11.66 55.48,10.01 56.03,9.46 57.53,9.46
12V on Top Layer "NONET_L-01_P-001" (solid, pour order 84): 51.93,22.31 52.83,23.21 55.13,23.21 54.33,22.41 54.33,21.01 53.93,20.61 51.93,20.61
12V on Top Layer "NONET_L-01_P-001" (solid, pour order 83): 58.18,23.01 58.18,25.76 58.03,25.91 57.03,25.91 56.43,25.31 56.43,24.61 55.93,24.11 52.93,24.11 52.687,23.867 52.687,23.153 52.83,23.01
12V on Top Layer "NONET_L-01_P-001" (solid, pour order 81): 53.331,5.409 51.986,6.754 51.986,7.466 52.13,7.61 52.83,7.61 53.331,7.109 58.048,7.109 56.348,5.409
NetM1_2 on Top Layer "NONET_L-01_P-001" (solid, pour order 79): 56.129,9.71 55.73,10.109 55.73,11.11 56.03,11.41 58.33,11.41 58.824,10.916 58.824,10.056 58.478,9.71
NetM1_1 on Top Layer "NONET_L-01_P-001" (solid, pour order 77): 69.17,5.314 69.47,5.614 69.47,6.171 68.627,7.014 64.884,7.014 64.884,5.956 65.526,5.314
NetM1_3 on Top Layer "NONET_L-01_P-001" (solid, pour order 76): 61.97,18.814 62.27,19.114 62.27,19.671 61.427,20.514 58.383,20.514 58.383,19.952 59.522,18.814
12V on Top Layer "NONET_L-01_P-001" (solid, pour order 73): 53.331,65.009 51.986,66.354 51.986,67.066 52.13,67.21 52.83,67.21 53.331,66.709 58.048,66.709 56.348,65.009
NetM3_1 on Top Layer "NONET_L-01_P-001" (solid, pour order 71): 69.17,64.914 69.47,65.214 69.47,65.771 68.627,66.614 64.884,66.614 64.884,65.556 65.526,64.914
12V on Top Layer "NONET_L-01_P-001" (solid, pour order 29): 53.331,35.209 51.986,36.554 51.986,37.266 52.13,37.41 52.83,37.41 53.331,36.909 58.048,36.909 56.348,35.209
NetM2_3 on Top Layer "NONET_L-01_P-001" (solid, pour order 67): 61.97,48.614 62.27,48.914 62.27,49.471 61.427,50.314 58.383,50.314 58.383,49.752 59.522,48.614
12V on Top Layer "NONET_L-01_P-001" (solid, pour order 65): 51.93,52.11 52.83,53.01 55.13,53.01 54.33,52.21 54.33,50.81 53.93,50.41 51.93,50.41
12V on Top Layer "NONET_L-01_P-001" (solid, pour order 64): 58.18,52.81 58.18,55.56 58.03,55.71 57.03,55.71 56.43,55.11 56.43,54.41 55.93,53.91 52.93,53.91 52.687,53.667 52.687,52.953 52.83,52.81
12V on Top Layer "NONET_L-01_P-001" (solid, pour order 61): 49.83,72.96 50.03,73.16 50.03,76.16 49.73,76.46 46.53,76.46 46.23,76.16 46.23,73.26 46.53,72.96
NetM3_2 on Top Layer "NONET_L-01_P-001" (solid, pour order 53): 56.138,69.302 55.72,69.72 55.72,70.702 56.02,71.002 58.338,71.002 58.814,70.526 58.814,69.648 58.468,69.302
NetM3_3 on Top Layer "NONET_L-01_P-001" (solid, pour order 52): 61.97,78.414 62.27,78.714 62.27,79.271 61.427,80.114 58.383,80.114 58.383,79.552 59.522,78.414
12V on Top Layer "NONET_L-01_P-001" (solid, pour order 51): 51.93,81.91 52.83,82.81 55.13,82.81 54.33,82.01 54.33,80.61 53.93,80.21 51.93,80.21
12V on Top Layer "NONET_L-01_P-001" (solid, pour order 50): 58.18,82.61 58.18,85.36 58.03,85.51 57.03,85.51 56.43,84.91 56.43,84.21 55.93,83.71 52.93,83.71 52.687,83.467 52.687,82.753 52.83,82.61
NetR24_1 on Top Layer "NONET_L-01_P-001" (solid, pour order 49): 64.73,78.46 63.58,78.46 62.93,79.11 62.93,80.31 63.383,80.31 63.383,80.057 63.484,79.956 64.73,79.956
NetR24_1 on Top Layer "NONET_L-01_P-001" (solid, pour order 48): 62.03,69.459 60.793,69.459 60.644,69.31 60.53,69.31 60.33,69.51 60.33,70.61 60.679,70.959 62.03,70.959
NetR24_1 on Top Layer "NONET_L-01_P-001" (solid, pour order 47): 74.922,75.389 77.422,72.889 77.422,70.589 74.022,70.589 74.022,75.389
12V on Top Layer "NONET_L-01_P-001" (solid, pour order 41): 49.83,43.06 50.03,43.26 50.03,46.26 49.73,46.56 46.53,46.56 46.23,46.26 46.23,43.36 46.53,43.06
NetM2_1 on Top Layer "NONET_L-01_P-001" (solid, pour order 38): 69.17,35.114 69.47,35.414 69.47,35.971 68.627,36.814 64.884,36.814 64.884,35.756 65.526,35.114
NetR14_1 on Top Layer "NONET_L-01_P-001" (solid, pour order 32): 74.922,45.489 77.422,42.989 77.422,40.689 74.022,40.689 74.022,45.489
NetR14_1 on Top Layer "NONET_L-01_P-001" (solid, pour order 31): 64.73,48.66 63.58,48.66 62.93,49.31 62.93,50.51 63.383,50.51 63.383,50.257 63.484,50.156 64.73,50.156
NetR14_1 on Top Layer "NONET_L-01_P-001" (solid, pour order 30): 62.03,39.659 60.793,39.659 60.644,39.51 60.53,39.51 60.33,39.71 60.33,40.81 60.679,41.159 62.03,41.159
NetM2_2 on Top Layer "NONET_L-01_P-001" (solid, pour order 28): 56.129,39.51 55.73,39.909 55.73,40.91 56.03,41.21 58.33,41.21 58.824,40.716 58.824,39.856 58.478,39.51
NetR4_1 on Top Layer "NONET_L-01_P-001" (solid, pour order 27): 74.93,15.91 77.43,13.41 77.43,11.11 74.03,11.11 74.03,15.91
12V on Top Layer "NONET_L-01_P-001" (solid, pour order 26): 49.83,13.51 50.03,13.71 50.03,16.71 49.73,17.01 46.53,17.01 46.23,16.71 46.23,13.81 46.53,13.51
NetR4_1 on Top Layer "NONET_L-01_P-001" (solid, pour order 24): 64.73,18.86 63.58,18.86 62.93,19.51 62.93,20.71 63.383,20.71 63.383,20.457 63.484,20.356 64.73,20.356
NetR4_1 on Top Layer "NONET_L-01_P-001" (solid, pour order 23): 62.03,9.859 60.793,9.859 60.644,9.71 60.53,9.71 60.33,9.91 60.33,11.01 60.679,11.359 62.03,11.359
GND on Int2 (PWR) "NONET_L-01_P-001" (solid, remove dead copper, pour order 155): 0,90 0,0 95.7,0 95.7,90
12V on Int2 (PWR) "NONET_L-01_P-001" (solid, pour order 42): 55.52,34.4 57.03,35.91 57.03,36.67 56.4,37.3 54.45,37.3 53.75,38 50.3,38 50.3,35.85 51.75,34.4
12V on Int2 (PWR) "NONET_L-01_P-001" (solid, pour order 62): 57.25,84.65 52.45,84.65 50.4,82.6 50.4,77.4 51,77.4 54.4,80.8 54.4,82 54.9,82.5 57.85,82.5 58.25,82.9 58.25,83.65
12V on Int2 (PWR) "NONET_L-01_P-001" (solid, pour order 113): 46.23,69.683 48.163,67.75 49.5,67.75 49.5,80.15 47.95,80.15 46.23,78.43
3V3 on Int2 (PWR) "NONET_L-01_P-001" (solid, pour order 143): 84.23,12.01 ccw(c84.471,12.251) 84.471,11.91 84.53,11.91 ccw(c84.53,12.634) 85.042,12.122 85.13,12.21 85.13,11.21 84.23,11.21
3V3 on Int2 (PWR) "NONET_L-01_P-001" (solid, pour order 142): 83.53,11.31 cw(c83.289,11.069) 83.63,11.069 83.63,11.01 cw(c82.906,11.01) 83.418,10.498 83.33,10.41 84.33,10.41 84.33,11.31
3V3 on Int2 (PWR) "NONET_L-01_P-001" (solid, pour order 141): 75.63,4.71 75.789,4.551 cw(c75.447,4.21) 75.93,4.21 cw(c75.63,4.21) 75.63,3.91 ccw(c75.83,3.91) 75.83,3.71 76.53,3.71 76.53,4.51 ccw(c76.33,4.51) 76.33,4.71
3V3 on Int2 (PWR) "NONET_L-01_P-001" (solid, pour order 140): 76.53,5.11 ccw(c77.254,5.834) 77.254,4.81 77.33,4.81 ccw(c77.33,5.776) 78.013,5.093 78.33,5.41 78.33,4.251 cw(c77.989,4.251) 78.23,4.01 cw(c77.989,4.251) 77.989,3.91 77.03,3.91
3V3 on Int2 (PWR) "NONET_L-01_P-001" (solid, pour order 139): 21.042,46.557 20.854,46.368 cw(c20.23,46.992) 20.23,46.11 ccw(c20.471,46.11) 20.301,45.939 20.53,45.71 20.547,45.71 ccw(c20.547,46.393) 21.03,45.91
3V3 on Int2 (PWR) "NONET_L-01_P-001" (solid, pour order 138): 21.23,44.71 21.23,45.044 cw(c22.596,45.044) 21.63,46.01 21.13,46.51 ccw(c21.613,46.027) 20.93,46.027 20.93,44.71
3V3 on Int2 (PWR) "NONET_L-01_P-001" (solid, pour order 136): 85.03,38.11 85.13,38.11 ccw(c85.13,39.41) 86.43,39.41 cw(c86.43,39.01) 86.83,39.01 86.83,36.41 cw(c86.43,36.41) 86.43,36.01 ccw(c85.33,36.01) 85.33,37.11 85.03,37.11
3V3 on Int2 (PWR) "NONET_L-01_P-001" (solid, pour order 134): 88.43,55.11 88.43,55.61 ccw(c86.74,55.61) 87.935,56.805 87.53,57.21 ccw(c87.047,56.727) 87.047,57.41 85.93,57.41 cw(c84.723,56.203) 86.43,56.203 86.43,55.11
12V on Int2 (PWR) "NONET_L-01_P-001" (solid, pour order 115): 46.03,10.27 48.3,8 50.95,8 50.95,20.95 48.35,20.95 46.03,18.63
12V on Int2 (PWR) "NONET_L-01_P-001" (solid, pour order 114): 46.05,40.062 48.512,37.6 51.3,37.6 51.3,50.85 48.444,50.85 46.05,48.456
12V on Int2 (PWR) "NONET_L-01_P-001" (solid, pour order 85): 57.2,25.15 52.55,25.15 50.8,23.4 50.8,17.6 54.4,21.2 54.4,22.35 54.95,22.9 57.85,22.9 58.25,23.3 58.25,24.1
12V on Int2 (PWR) "NONET_L-01_P-001" (solid, pour order 82): 55.75,4.6 57.05,5.9 57.05,6.9 56.5,7.45 54.48,7.45 53.73,8.2 50.5,8.2 50.5,5.8 51.7,4.6
12V on Int2 (PWR) "NONET_L-01_P-001" (solid, pour order 74): 56,64.2 57.03,65.23 57.03,66.41 56.44,67 54.55,67 53.713,67.837 50.6,67.837 50.6,65.313 51.713,64.2
12V on Int2 (PWR) "NONET_L-01_P-001" (solid, pour order 66): 57.1,54.85 52.45,54.85 50.75,53.15 50.75,47.7 51.1,47.7 54.45,51.05 54.45,52.1 55,52.65 57.67,52.65 58.13,53.11 58.13,53.82
GND on Bottom Layer "NONET_L-01_P-001" (solid, pour order 156): 0,90 95.7,90 95.7,0 0,0
12V on Bottom Layer "NONET_L-01_P-001" (solid, pour order 147): 49.6,42.5 50.3,43.2 50.3,46.3 49.6,47 48.6,47 48.1,47.5 45.1,47.5 45.1,42 48.1,42 48.6,42.5
NetM3_3 on Bottom Layer "NONET_L-01_P-001" (solid, pour order 55): 61.93,78.31 59.63,78.31 58.53,79.41 58.53,79.91 60.03,81.41 63.03,81.41 63.03,79.41
12V on Bottom Layer "NONET_L-01_P-001" (solid, pour order 154): 45.1,46.2 45.1,46.4 40.9,50.6 40.9,53.1 46.2,53.1 46.2,46.2
12V on Bottom Layer "NONET_L-01_P-001" (solid, pour order 153): 49.9,17.2 50.3,16.8 50.3,13.7 49.9,13.3 45.9,13.3 45.2,14 45.2,18.7 47.8,18.7 49.3,17.2
12V on Bottom Layer "NONET_L-01_P-001" (solid, pour order 152): 27.7,74.3 26.4,75.6 10.8,75.6 10,74.8 10,72 10.6,71.4 27.7,71.4
NetM1_3 on Bottom Layer "NONET_L-01_P-001" (solid, pour order 75): 61.93,18.71 59.63,18.71 58.53,19.81 58.53,20.31 59.13,20.91 63.03,20.91 63.03,19.81
NetM2_3 on Bottom Layer "NONET_L-01_P-001" (solid, pour order 68): 61.93,48.51 59.63,48.51 58.53,49.61 58.53,50.11 60.03,51.61 63.03,51.61 63.03,49.61
NetM1_2 on Bottom Layer "NONET_L-01_P-001" (solid, pour order 80): 59.33,10.71 58.63,11.41 55.93,11.41 55.63,11.11 55.63,10.01 56.93,8.71 59.33,8.71
NetM2_2 on Bottom Layer "NONET_L-01_P-001" (solid, pour order 69): 59.33,40.51 58.63,41.21 55.93,41.21 55.63,40.91 55.63,39.81 56.93,38.51 59.33,38.51
NetM3_2 on Bottom Layer "NONET_L-01_P-001" (solid, pour order 57): 59.33,70.31 58.63,71.01 55.93,71.01 55.63,70.71 55.63,69.61 56.93,68.31 59.33,68.31
12V on Bottom Layer "NONET_L-01_P-001" (solid, pour order 112): 49.8,72.7 50.2,73.1 50.2,76.2 49.8,76.6 45.8,76.6 45.1,75.9 45.1,72.2 48.1,72.2 48.6,72.7
GND on Bottom Layer "NONET_L-01_P-001" (solid, pour order 102): 71.03,71.41 71.03,78.01 52.03,78.01 52.03,71.41
GND on Bottom Layer "NONET_L-01_P-001" (solid, pour order 101): 71.03,41.61 71.03,48.21 52.03,48.21 52.03,41.61
GND on Bottom Layer "NONET_L-01_P-001" (solid, pour order 100): 71.03,11.81 71.03,18.41 52.03,18.41 52.03,11.81
NetM1_1 on Bottom Layer "NONET_L-01_P-001" (solid, pour order 78): 68.08,5.21 65.58,5.21 64.88,5.91 64.88,7.21 68.08,7.21
NetM2_1 on Bottom Layer "NONET_L-01_P-001" (solid, pour order 72): 68.08,34.89 65.58,34.89 64.88,35.59 64.88,36.89 68.08,36.89
NetM3_1 on Bottom Layer "NONET_L-01_P-001" (solid, pour order 58): 68.03,64.91 65.53,64.91 64.83,65.61 64.83,66.91 68.03,66.91
no net on Bottom Solder "NONET_L-01_P-001" (solid): 71.13,11.81 71.13,18.41 51.93,18.41 51.93,11.81
no net on Bottom Solder "NONET_L-01_P-001" (solid): 71.13,41.61 71.13,48.21 51.93,48.21 51.93,41.61
no net on Bottom Solder "NONET_L-01_P-001" (solid): 71.13,71.41 71.13,78.01 51.93,78.01 51.93,71.41
GND on Int1 (GND) "L2_GND_PLANE" (solid, remove dead copper, pour order 118): 95.73,-0.09 0.03,-0.09 0.03,89.91 95.73,89.91

## Other copper
Top Layer:
  pour cut-out: 0.5,88.9 5.25,88.9 5.25,87.2 0.5,87.2
  text "1" at 0.9,87.65 h0.8
Int1 (GND):
  pour cut-out: 0.5,88.9 5.25,88.9 5.25,87.2 0.5,87.2
  text "2" at 1.856,87.65 h0.8
Int2 (PWR):
  pour cut-out: 0.5,88.9 5.25,88.9 5.25,87.2 0.5,87.2
  text "3" at 3.078,87.65 h0.8
Bottom Layer:
  pour cut-out: 0.5,88.9 5.25,88.9 5.25,87.2 0.5,87.2
  text "4" at 4.3,87.65 h0.8

## Silkscreen, mask and mechanical layers (free items; w line width, h text height)
Top Overlay:
  lines w0.2: 0.6,88.75 0.6,87.35 5.15,87.35 5.15,88.75 ; 47.1,81.95 48.15,81.95 48.7,82.5 ; 48.4,82.5 48.7,82.5 ; 48.7,82.15 48.7,82.5 ; 54.075,83.575 53.85,83.8 ; 54.1,84.05 53.85,83.8 ; 58.25,83.8 53.85,83.8 ; 86.15,22.05 86.4,22.3 88.1,22.3 ; 86.25,46.5 86.45,46.7 88.25,46.7 ; 86.25,70.85 86.45,71.05 88.2,71.05 ; 53.85,83.8 53.85,83.8 ; 53.85,83.8 53.85,83.8 ; 53.85,83.8 53.85,83.8
  text "PCB N 01 V 1.0" at 6.539,87.122 h1.52
  text "SMASHBOY_AVI_ADCS_PCB_PART01_V01" at 39,86.741 h1.52
  text "01/2021" at 6.35,85.3 h1
  text "3V3" at 16.1,15.9 h0.8 r90
  text "GND" at 18.6,15.9 h0.8 r90
  text "SWCLK" at 21.2,15.8 h0.8 r90
  text "SWDIO" at 23.7,15.8 h0.8 r90
  text "DESIGN : HENRIQUE TERZI LUCCHETTA" at 61.214,2.032 h1.5
Bottom Overlay:
  drawing of 82 lines, arcs and shapes, not listed

## Text inside footprints (layer, text, board x,y; h text height)
C14: Top Overlay "+" at 50.08,14.61 h1.22
C24: Top Overlay "+" at 50.08,44.41 h1.22
C34: Top Overlay "+" at 50.08,74.21 h1.22
PC/104: Top Overlay "D" at 4.503,13.235 h1; Top Overlay "C" at 6.662,13.235 h1; Top Overlay "B" at 8.567,13.235 h1; Top Overlay "A" at 10.599,13.362 h1; Mechanical 13 "*" at 12.107,13.87 h1.27 r270